# Altium PCB RUMBA_plus.PcbDoc (part 1 of 3)
Units mil, origin at the board's own origin, x right, y up, seen from the top; angles counter-clockwise.
Board outline 5314.96 x 2952.76 mil, 2 copper layers (Top Layer, Bottom Layer), stack 62.249 mil thick; 205 components, 188 nets, 892 pads, 249 vias.
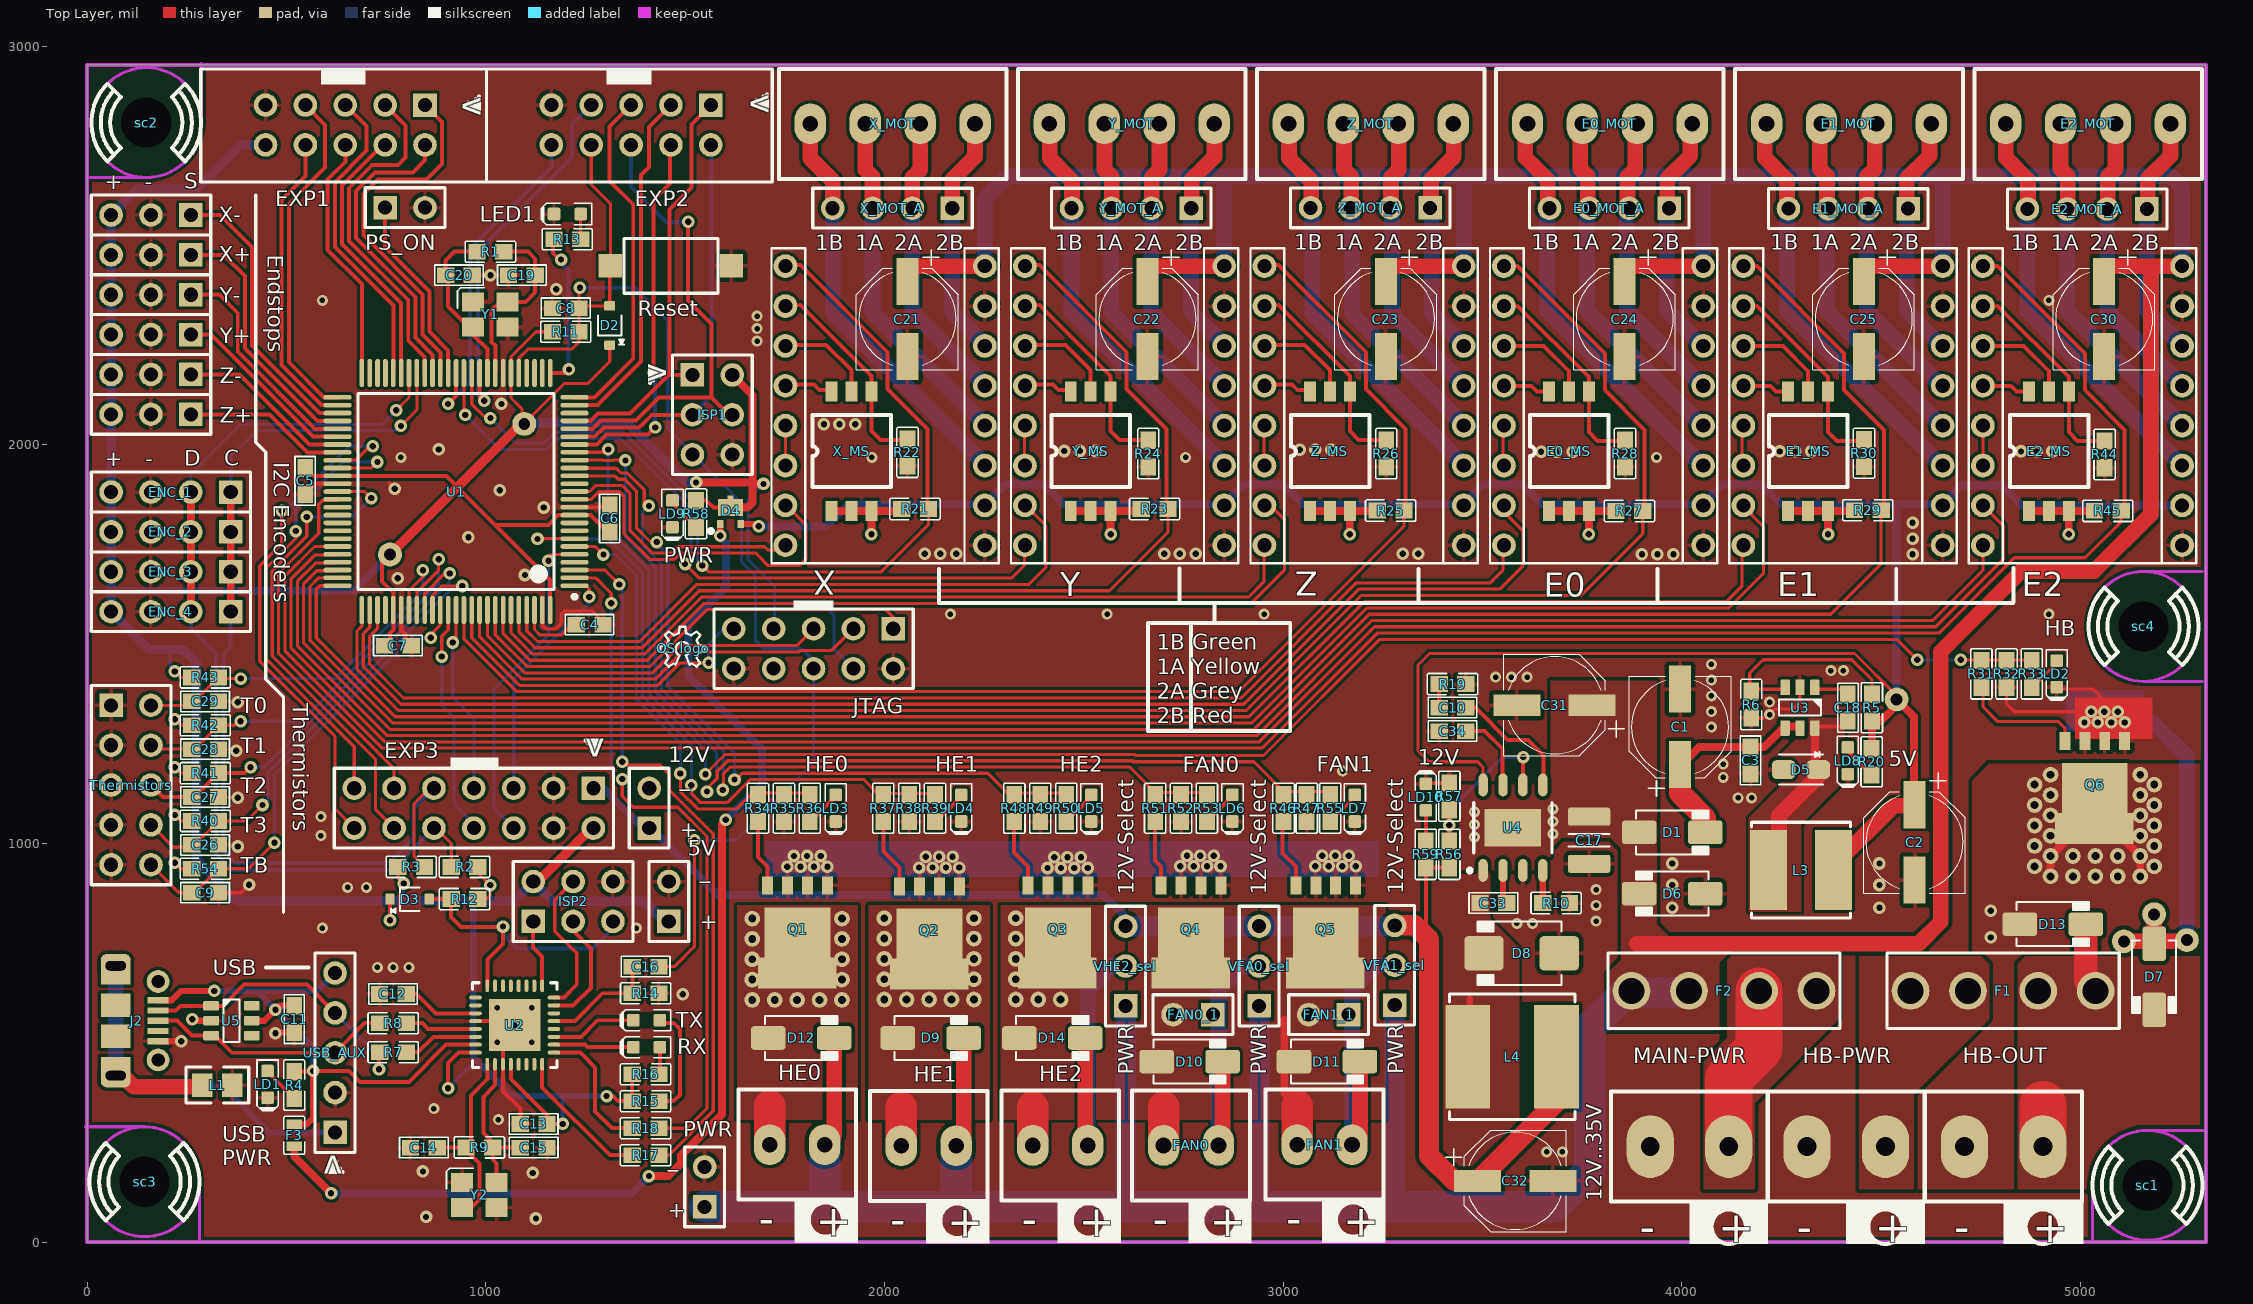
[diagram p0: Top Layer view]
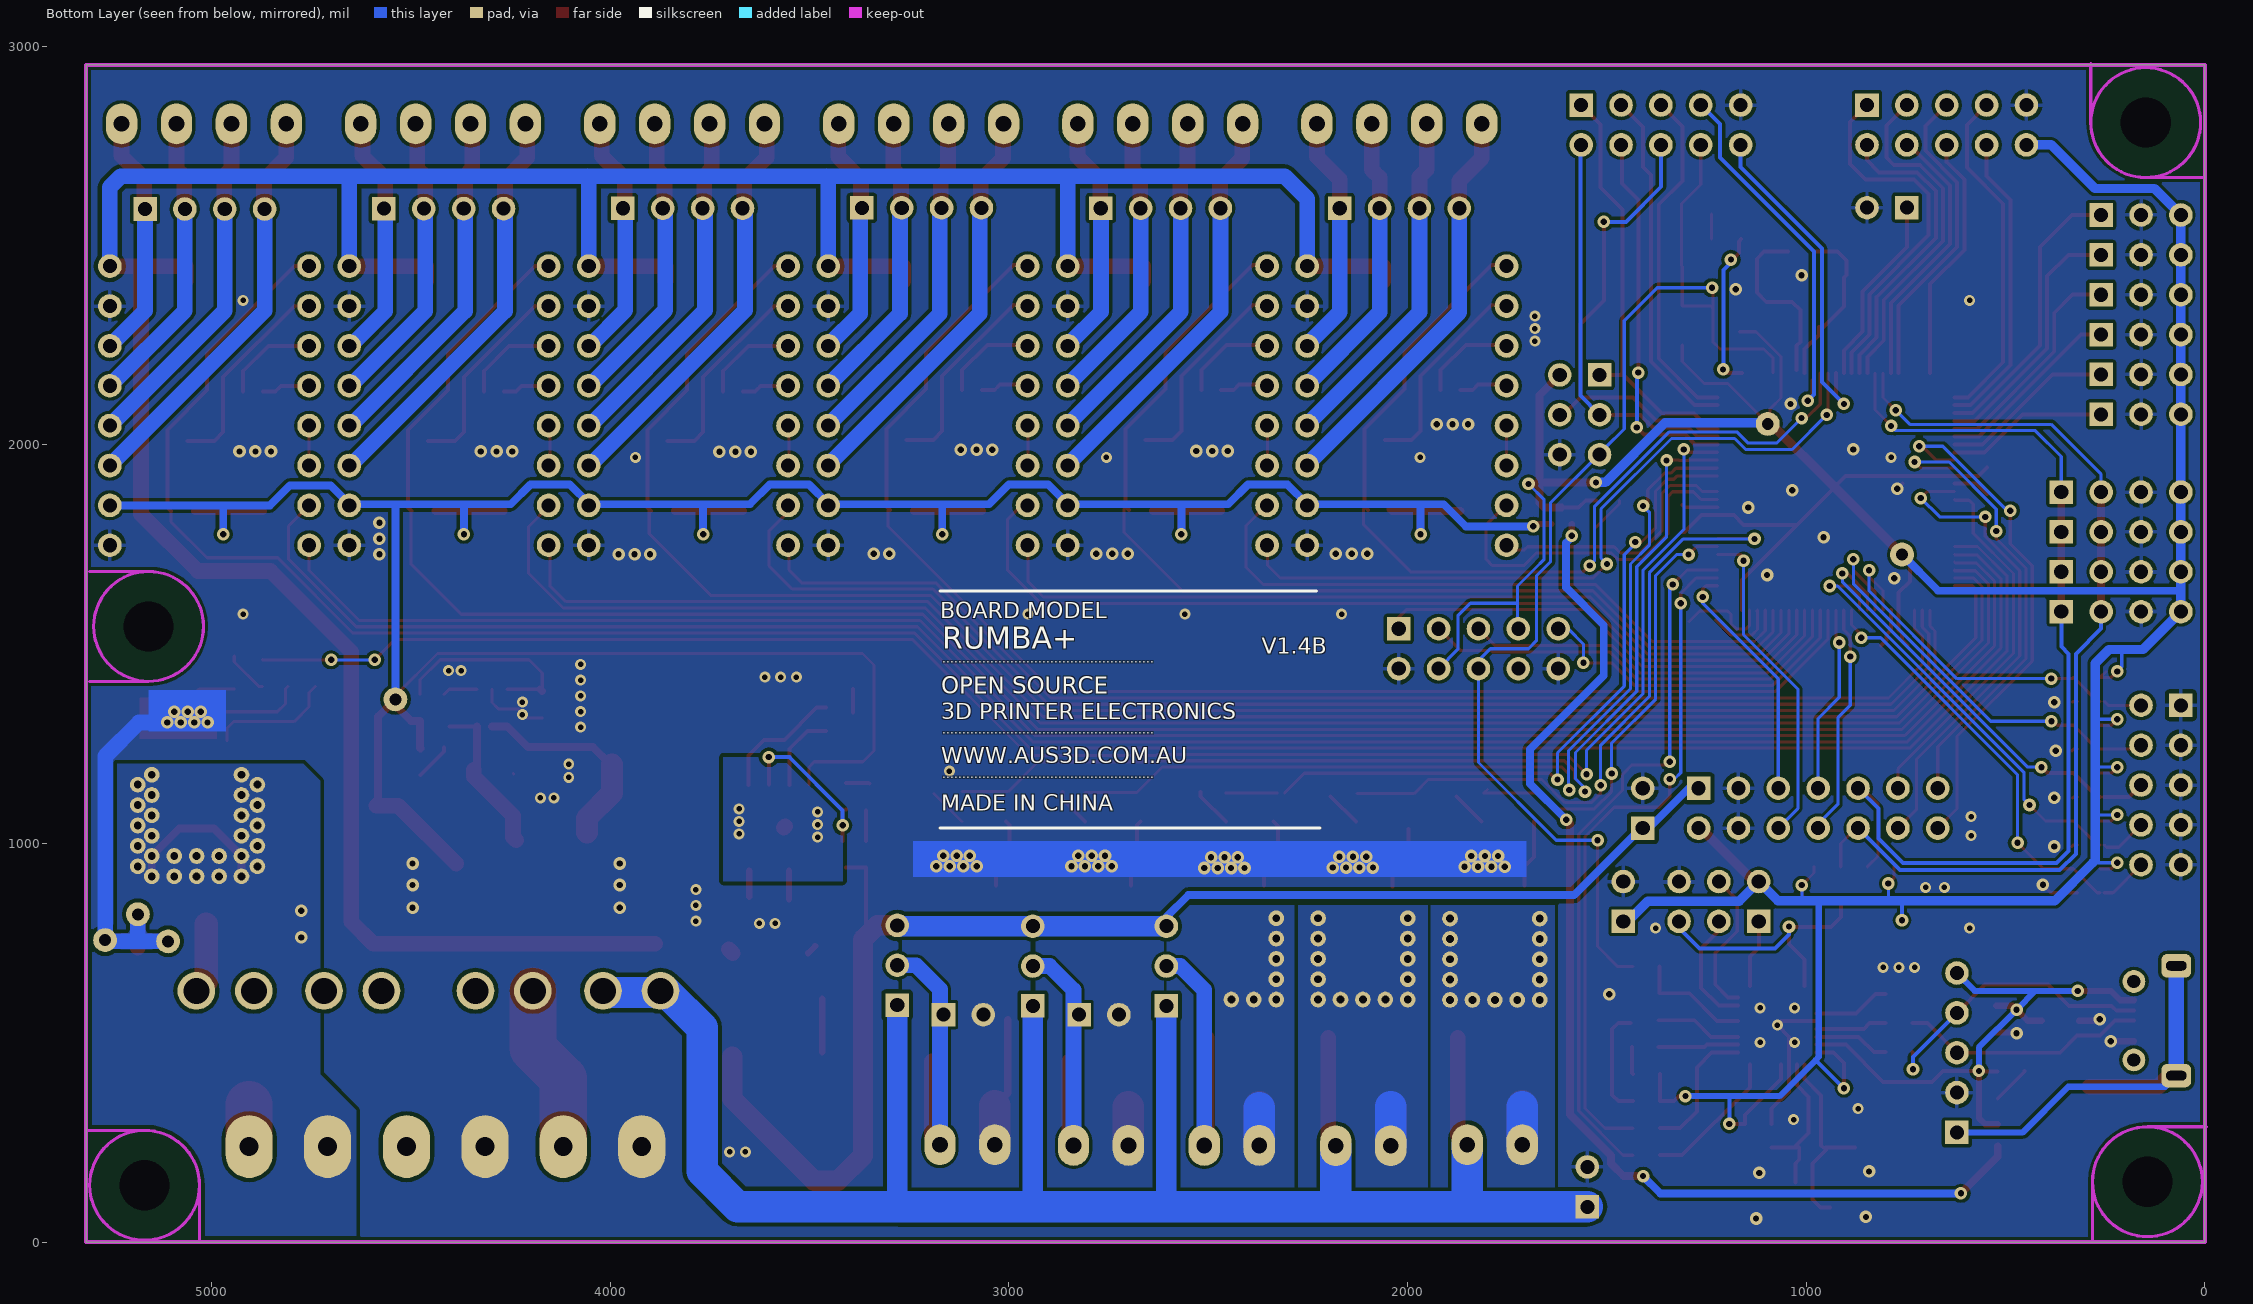
[diagram p1: Bottom Layer view, seen from below]

## Layer stack, top to bottom
Top Solder: solder mask 0.4, Solder Resist, Dk 3.5
Top Layer: signal copper 1.4
Dielectric1: dielectric 59.4488, FR-4, Dk 4.8
Bottom Layer: signal copper 1.4
Bottom Solder: solder mask 0.4, Solder Resist, Dk 3.5

## Board outline
0,0 0,2952.76 5314.96,2952.76 5314.96,0

## Design rules (kind name [scope] priority, off if disabled: settings)
Clearance Clearance_1 [InNet('VIN1') OR InNet('VIN2') OR InNet('VIN') OR InNet('+12V') OR InNet('NetF2_0') OR InNet('NetF1_0') OR InNet('NetD13_A')] p1: gap=9.84 ignorepadtopadclearanceinfootprint=FALSE
Clearance [All] p2: gap=7.87 ignorepadtopadclearanceinfootprint=FALSE except(0: Arc-Hole Track-Hole SMDPad-Hole THPad-Hole Via-Hole Fill-Hole Poly-Hole Region-Hole Text-Hole)
ComponentClearance [All] p1: gap=7.87 collisioncheckmode=3 verticalgap=9.84 showdistances=FALSE
HoleSize [All] p1: absolutevalues=TRUE maxlimit=157.48 minlimit=1 maxpercent=80.000 minpercent=20.000
MinimumSolderMaskSliver [All] p1: minsoldermaskwidth=0
PolygonConnect PolygonConnect_Via [All vs IsVia] p1: connectstyle=Direct reliefconductorwidth=10 reliefentries=4 polygonreliefangle="90 Angle" airgapwidth=10
PolygonConnect PolygonConnect_Specific [All vs IsPad AND (InNet('HE_0') OR InNet('NetD9_A') OR InNet('NetD10_A') OR InNet('NetD11_A') OR InNet('NetD12_A') OR InNet('NetD13_A') OR InNet('NetD14_A')  OR InNet('VIN2') OR InNet('VIN1') OR InNet('NetC33_2') OR InNet('NetF1_0') OR InNet('NetF2_0'))] p2: connectstyle=Direct reliefconductorwidth=10 reliefentries=4 polygonreliefangle="90 Angle" airgapwidth=10
PolygonConnect PolygonConnect_Specific_1 [All vs IsPad AND (InComponent('HB-PWR') OR InComponent('MAIN-PWR') OR InComponent('HB-OUT') OR InComponent('IC4') OR InComponent('U1')) Or InNet('NetC18_1')] p3: connectstyle=Direct reliefconductorwidth=10 reliefentries=4 polygonreliefangle="90 Angle" airgapwidth=10
PolygonConnect [All] p4: connectstyle=Relief reliefconductorwidth=10 reliefentries=4 polygonreliefangle="90 Angle" airgapwidth=10
RoutingVias [All] p1: holewidth=15.75 width=31.5 viastyle="Through Hole" minholewidth=13.78 minwidth=27.56 maxholewidth=39.37 maxwidth=50
SilkToSilkClearance [All] p1: silktosilkclearance=3.94
SilkToSolderMaskClearance SilkscreenOverComponentPads [IsPad] p1: minsilkscreentomaskgap=0 clearancetoexposedcopper=TRUE
SolderMaskExpansion [All] p1: expansion=4
Width Width_1 [All] p1: maxlimit=118.11 minlimit=7.87 preferedwidth=7.87 minimp=50.000000 maximp=50.000000 favimp=50.000000
25 further rules are at their usual default settings.

## Components (designator, comment, footprint, x,y, rotation, side; value= is the part's Value field where it differs from the comment)
5V "Header 2" HDR1X2 1459.15,804.3 r90 top
12V "Header 2" HDR1X2 1410.15,1038.3 r90 top
C1 "CapE-6.3-100uF-35V" "CAP EL PANASONIC" 3995.86,1388.74 r180 top value="100uF 35V"
C2 "CapE-6.3-100uF-35V" "CAP EL PANASONIC" 4584.3,905.92 r0 top value="100uF 35V"
C3 "approved sub OK" "CAP 1608-0603" 4172.8,1208.3 r270 top value=1µ
C4 "CapC-0603-100nF" "CAP 1608-0603" 1260.65,1548.49 r180 top value=100nF
C5 "CapC-0603-100nF" "CAP 1608-0603" 547.24,1909.45 r90 top value=100nF
C6 "CapC-0603-100nF" "CAP 1608-0603" 1311.02,1814.96 r270 top value=100nF
C7 "CapC-0603-100nF" "CAP 1608-0603" 779.53,1496.06 r180 top value=100nF
C8 "CapC-0603-22pF" "CAP 1608-0603" 1200.79,2342.52 r0 top value=22pF
C9 "approved sub OK" "Cap 1608-0603" 296.32,876.3 r0 top value=1µ
C10 "CapC-0603-2.7nF" "Cap 1608-0603" 3425.2,1340.55 r0 top value=2.7nF
C11 "CapC-0603-100nF" "CAP 1608-0603" 519.69,559.06 r90 top value=100nF
C12 "approved sub OK" "CAP 1608-0603" 767.23,622.37 r180 top value=1µ
C13 "CapC-0603-100nF" "CAP 1608-0603" 1120.32,296.3 r0 top value=100nF
C14 "CapC-0603-22pF" "CAP 1608-0603" 844.71,236.86 r0 top value=22pF
C15 "CapC-0603-22pF" "CAP 1608-0603" 1120.3,236.86 r180 top value=22pF
C16 "CapC-0603-100nF" "CAP 1608-0603" 1401.15,690.77 r180 top value=100nF
C17 "CapC-1210-4.7uF-50V" "CAP 3225-1210" 3767.72,1007.87 r90 top value=4.7uF
C18 "CapC-0603-100nF" "CAP 1608-0603" 4416.86,1340.3 r90 top value=100nF
C19 "CapC-0603-22pF" "CAP 1608-0603" 1090.55,2425.2 r0 top value=22pF
C20 "CapC-0603-22pF" "CAP 1608-0603" 933.07,2425.2 r180 top value=22pF
C21 "CapE-6.3-100uF-35V" "CAP EL PANASONIC" 2058.01,2218.88 r0 top value="100uF 35V"
C22 "CapE-6.3-100uF-35V" "CAP EL PANASONIC" 2660.05,2218.88 r0 top value="100uF 35V"
C23 "CapE-6.3-100uF-35V" "CAP EL PANASONIC" 3258.12,2218.88 r0 top value="100uF 35V"
C24 "CapE-6.3-100uF-35V" "CAP EL PANASONIC" 3856.99,2218.88 r0 top value="100uF 35V"
C25 "CapE-6.3-100uF-35V" "CAP EL PANASONIC" 4456.99,2218.88 r0 top value="100uF 35V"
C26 "approved sub OK" "Cap 1608-0603" 296.32,996.3 r0 top value=1µ
C27 "approved sub OK" "Cap 1608-0603" 296.32,1116.3 r0 top value=1µ
C28 "approved sub OK" "Cap 1608-0603" 296.32,1236.3 r0 top value=1µ
C29 "approved sub OK" "Cap 1608-0603" 296.32,1356.3 r0 top value=1µ
C30 "CapE-6.3-100uF-35V" "CAP EL PANASONIC" 5059.93,2218.88 r0 top value="100uF 35V"
C31 "CapE-6.3-100uF-35V" "CAP EL PANASONIC" 3584.65,1346.46 r270 top value="100uF 35V"
C32 "CapE-6.3-100uF-35V" "CAP EL PANASONIC" 3679.16,153.54 r90 top value="100uF 35V"
C33 "CapC-0603-100nF" "Cap 1608-0603" 3527.56,850.39 r180 top value=100nF
C34 "CapC-0603-100nF" "Cap 1608-0603" 3425.2,1281.5 r0 top value=100nF
D1 "100V; 1.5A" DO-214AC 3976.38,1027.56 r0 top value="Vf = 1.15V @ 1.5A (Max)"
D2 "DIODE_75V_500mW" SOD323 1311.02,2299.21 r90 top value="Vf=1V @ 50mA"
D3 "DIODE_75V_500mW" SOD323 809.06,860.24 r0 top value="Vf=1V @ 50mA"
D4 "Diode Schottky 2A 20V Dual Common Cathode" SOT1061 1614.17,1832.68 r0 top value=PMEG2020CPA,115
D5 "Diode Schottky 2A 40V" DIOM2616X08N 4299.21,1185.04 r180 top
D6 "100V; 1.5A" DO-214AC 3976.38,874.02 r180 top value="Vf = 1.15V @ 1.5A (Max)"
D7 "100V; 1.5A" DO-214AC 5185.32,665.35 r270 top value="Vf = 1.15V @ 1.5A (Max)"
D8 "Diode SSB44-E3" DO-214AA 3598.43,724.41 r180 top value="40V 4A"
D9 "100V; 1.5A" DO-214AC 2116.14,511.81 r0 top value="Vf = 1.15V @ 1.5A (Max)"
D10 "100V; 1.5A" DO-214AC 2765.75,452.76 r0 top value="Vf = 1.15V @ 1.5A (Max)"
D11 "100V; 1.5A" DO-214AC 3110.24,452.76 r0 top value="Vf = 1.15V @ 1.5A (Max)"
D12 "100V; 1.5A" DO-214AC 1791.34,511.81 r0 top value="Vf = 1.15V @ 1.5A (Max)"
D13 "100V; 1.5A" DO-214AC 4931.1,797.4 r0 top value="Vf = 1.15V @ 1.5A (Max)"
D14 "100V; 1.5A" DO-214AC 2421.26,511.81 r0 top value="Vf = 1.15V @ 1.5A (Max)"
E0 "A4988BREAKOUT" A4988BREAKOUT 3554.1,2447.88 r270 top
E0_MOT "ScrewTerminal-3.5mm-4Way" "TERM4 3.5MM" 3613.31,2804.88 r0 top
E0_MOT_A "Header 4" HDR1X4 3968.46,2593.3 r180 top
E0_MS "SW DIP-3" "DIPSW SO6" 3667.24,1834.02 r90 top
E1 "A4988BREAKOUT" A4988BREAKOUT 4154.82,2447.88 r270 top
E1_MOT "ScrewTerminal-3.5mm-4Way" "TERM4 3.5MM" 4213.01,2804.88 r0 top
E1_MOT_A "Header 4" HDR1X4 4567.85,2592.3 r180 top
E1_MS "SW DIP-3" "DIPSW SO6" 4267.24,1834.02 r90 top
E2 "A4988BREAKOUT" A4988BREAKOUT 4755.54,2447.88 r270 top
E2_MOT "ScrewTerminal-3.5mm-4Way" "TERM4 3.5MM" 4812.72,2804.88 r0 top
E2_MOT_A "Header 4" HDR1X4 5167.24,2591.3 r180 top
E2_MS "SW DIP-3" "DIPSW SO6" 4871.18,1834 r90 top
ENC_1 "Header 4" HDR1X4 360.31,1881.3 r180 top
ENC_2 "Header 4" HDR1X4 360.31,1781.3 r180 top
ENC_3 "Header 4" HDR1X4 360.31,1681.3 r180 top
ENC_4 "Header 4" HDR1X4 360.31,1581.3 r180 top
EXP1 "Header 5X2" "HDR2X5_EXP INER ONLY\" 1005.3,2942.76 r180 top
EXP2 "Header 5X2" "HDR2X5_EXP INER ONLY\" 1722.3,2942.76 r180 top
EXP3 "Header 7X2" HDR2X7 1270.15,1138.3 r180 top
F1 "Fuseholder - Mini ATC ATO 15A" "FUSEHOLDER - BK-6013 - MINI ATC ATO BLADE 15A" 4806.3,630.08 r0 top
F2 "Fuseholder - Mini ATC ATO 15A" "FUSEHOLDER - BK-6013 - MINI ATC ATO BLADE 15A" 4106.3,630.08 r180 top
F3 "PTC Resettable Fuse" "PTC Fuse1608-0603" 519.69,267.72 r270 top value=200mA
FAN0 "Screw Terminal 3.5mm 2-Way" "TERM2 3.5MM" 2838.15,242.3 r180 top
FAN0_1 "Header 2" HDR1X2 2824.31,570.41 r180 top
FAN1 "Screw Terminal 3.5mm 2-Way" "TERM2 3.5MM" 3173.15,244.3 r180 top
FAN1_1 "Header 2" HDR1X2 3164.32,570.39 r180 top
HB-OUT "Screw Terminal 5mm 2-Way" "TERM2 5MM" 4709.3,239.3 r0 top
HB-PWR "Screw Terminal 5mm 2-Way" "TERM2 5MM" 4314.3,239.3 r0 top
HE0 "Screw Terminal 3.5mm 2-Way" "TERM2 3.5MM" 1850.15,244.3 r180 top
HE1 "Screw Terminal 3.5mm 2-Way" "TERM2 3.5MM" 2180.15,241.3 r180 top
HE2 "Screw Terminal 3.5mm 2-Way" "TERM2 3.5MM" 2510.15,242.3 r180 top
ISP1 "Header 3X2" HDR2X3 1518.53,2175.05 r270 top
ISP2 "Header 3X2" HDR2X3 1119.15,804.3 r0 top
J2 "Micro-USB B Socket" "Micro-USB B Molex 105017-0001" 178.15,555.12 r270 top
JTAG "Header 5X2" HDR2X5 2022.3,1538.3 r180 top
L1 "Ferrite Bead SMD 0805" "RES 2012-0805" 326.77,393.7 r0 top value="WE-CBF_0805 (WE-CBF)"
L3 "Inductor SMD 33uH 2.5A" "SRN6045TA SMD Inductor" 4299.21,933.07 r90 top value=33uH
L4 "Inductor SMD 47uH 2.2A" "SRN8040TA SMD INDUCTOR" 3574.8,464.57 r90 top value=47uH
LD1 "GREEN" "LED 1608-0603" 452.76,395.67 r270 top
LD2 "GREEN" "LED 1608-0603" 4940.94,1425.2 r270 top
LD3 "GREEN" "LED 1608-0603" 1877.95,1088.31 r270 top
LD4 "GREEN" "LED 1608-0603" 2192.91,1088.31 r270 top
LD5 "GREEN" "LED 1608-0603" 2519.27,1088.31 r270 top
LD6 "GREEN" "LED 1608-0603" 2873.16,1088.31 r270 top
LD7 "GREEN" "LED 1608-0603" 3180.28,1088.31 r270 top
LD8 "GREEN" "LED 1608-0603" 4416.86,1207.19 r270 top
LD9 "GREEN" "LED 1608-0603" 1468.5,1826.77 r270 top
LD10 "GREEN" "LED 1608-0603" 3358.27,1116.14 r90 top
LED1 "YELLOW" "LED 1608-0603" 1204.72,2578.74 r180 top
MAIN-PWR "Screw Terminal 5mm 2-Way" "TERM2 5MM" 3921.3,239.3 r0 top
"OS logo" "Logo" "OS LOGO TOP" 1495.3,1489.3 r0 top
PS_ON "Header 2" HDR1X2 747.67,2594.65 r0 top
PWR "Header 2" HDR1X2 1549.15,88.3 r90 top
Q1 "BUK9Y21-40E" LFPACK 1857.25,894.78 r180 top
Q2 "BUK9Y21-40E" LFPACK 2188.15,892.3 r180 top
Q3 "BUK9Y21-40E" LFPACK 2510.2,894.78 r180 top
Q4 "BUK9Y21-40E" LFPACK 2844.18,894.78 r180 top
Q5 "BUK9Y21-40E" LFPACK 3182.15,894.78 r180 top
Q6 "PSMN1R8-40YLC" LFPACK 5111.3,1257.3 r180 top
R1 "Res-0603-1M" "RES 1608-0603" 1011.81,2484.25 r0 top value=1M
R2 "Res-0603-10K" "RES 1608-0603" 946.85,940.94 r0 top value=10K
R3 "Res-0603-10K" "RES 1608-0603" 812.99,940.94 r180 top value=10K
R4 "Res-0603-1K" "RES 1608-0603" 519.69,393.7 r90 top value=1K
R5 "Res-0603-54K9" "RES 1608-0603" 4477.3,1340.3 r270 top value=54.9k
R6 "Res-0603-10K" "RES 1608-0603" 4174.8,1348.3 r90 top value=10K
R7 "Res-0603-22R" "RES 1608-0603" 767.65,476.2 r180 top value=22R
R8 "Res-0603-22R" "RES 1608-0603" 767.65,548.87 r180 top value=22R
R9 "Res-0603-1M" "RES 1608-0603" 984.15,237.3 r0 top value=1M
R10 "Res-0603-100K" "RES 1608-0603" 3685.04,850.39 r180 top value=100K
R11 "Res-0603-10K" "RES 1608-0603" 1200.79,2283.46 r180 top value=10K
R12 "Res-0603-10K" "RES 1608-0603" 946.85,860.24 r0 top value=10K
R13 "Res-0603-1K" "RES 1608-0603" 1204.72,2515.75 r180 top value=1K
R14 "Res-0603-1K" "RES 1608-0603" 1401.15,624.04 r0 top value=1K
R15 "Res-0603-1K" "RES 1608-0603" 1400.93,353.18 r0 top value=1K
R16 "Res-0603-1K" "RES 1608-0603" 1400.93,420.9 r0 top value=1K
R17 "Res-0603-1K" "RES 1608-0603" 1400.93,217.75 r0 top value=1K
R18 "Res-0603-1K" "RES 1608-0603" 1400.93,285.47 r0 top value=1K
R19 "Res-0603-348K" "RES 1608-0603" 3425.2,1399.61 r180 top value=348K
R20 "Res-0603-1K" "RES 1608-0603" 4476.38,1204.72 r90 top value=1K
R21 "Res-0603-10K" "RES 1608-0603" 2076.99,1838.88 r0 top value=10K
R22 "Res-0603-100K" "RES 1608-0603" 2057.99,1980.88 r270 top value=100K
R23 "Res-0603-10K" "RES 1608-0603" 2677.99,1838.88 r0 top value=10K
R24 "Res-0603-100K" "RES 1608-0603" 2661.99,1977.88 r270 top value=100K
R25 "Res-0603-10K" "RES 1608-0603" 3269.99,1834.88 r0 top value=10K
R26 "Res-0603-100K" "RES 1608-0603" 3258.99,1977.88 r270 top value=100K
R27 "Res-0603-10K" "RES 1608-0603" 3868.99,1833.88 r0 top value=10K
R28 "Res-0603-100K" "RES 1608-0603" 3857.99,1977.88 r270 top value=100K
R29 "Res-0603-10K" "RES 1608-0603" 4466.99,1835.88 r0 top value=10K
R30 "Res-0603-100K" "RES 1608-0603" 4457.5,1978.83 r270 top value=100K
R31 "Res-0603-22R" "RES 1608-0603" 4751.97,1425.2 r270 top value=22R
R32 "Res-0603-100K" "RES 1608-0603" 4814.96,1425.2 r270 top value=100K
R33 "Res-0603-1K" "RES 1608-0603" 4877.95,1425.2 r90 top value=1K
R34 "Res-0603-22R" "RES 1608-0603" 1683.12,1088.3 r270 top value=22R
R35 "Res-0603-100K" "RES 1608-0603" 1748.12,1088.3 r270 top value=100K
R36 "Res-0603-1K" "RES 1608-0603" 1813.11,1088.3 r90 top value=1K
R37 "Res-0603-22R" "RES 1608-0603" 1997.13,1088.3 r270 top value=22R
R38 "Res-0603-100K" "RES 1608-0603" 2062.13,1088.3 r270 top value=100K
R39 "Res-0603-1K" "RES 1608-0603" 2127.12,1088.3 r90 top value=1K
R40 "Res-0603-4K7" "RES 1608-0603" 296.32,1056.3 r0 top value=4.7K
R41 "Res-0603-4K7" "RES 1608-0603" 296.32,1176.3 r0 top value=4.7K
R42 "Res-0603-4K7" "RES 1608-0603" 296.32,1296.3 r0 top value=4.7K
R43 "Res-0603-4K7" "RES 1608-0603" 296.32,1416.3 r0 top value=4.7K
R44 "Res-0603-100K" "RES 1608-0603" 5060.89,1975.68 r270 top value=100K
R45 "Res-0603-10K" "RES 1608-0603" 5068.97,1834.06 r0 top value=10K